# KiCad board main_board.kicad_pcb (continued)
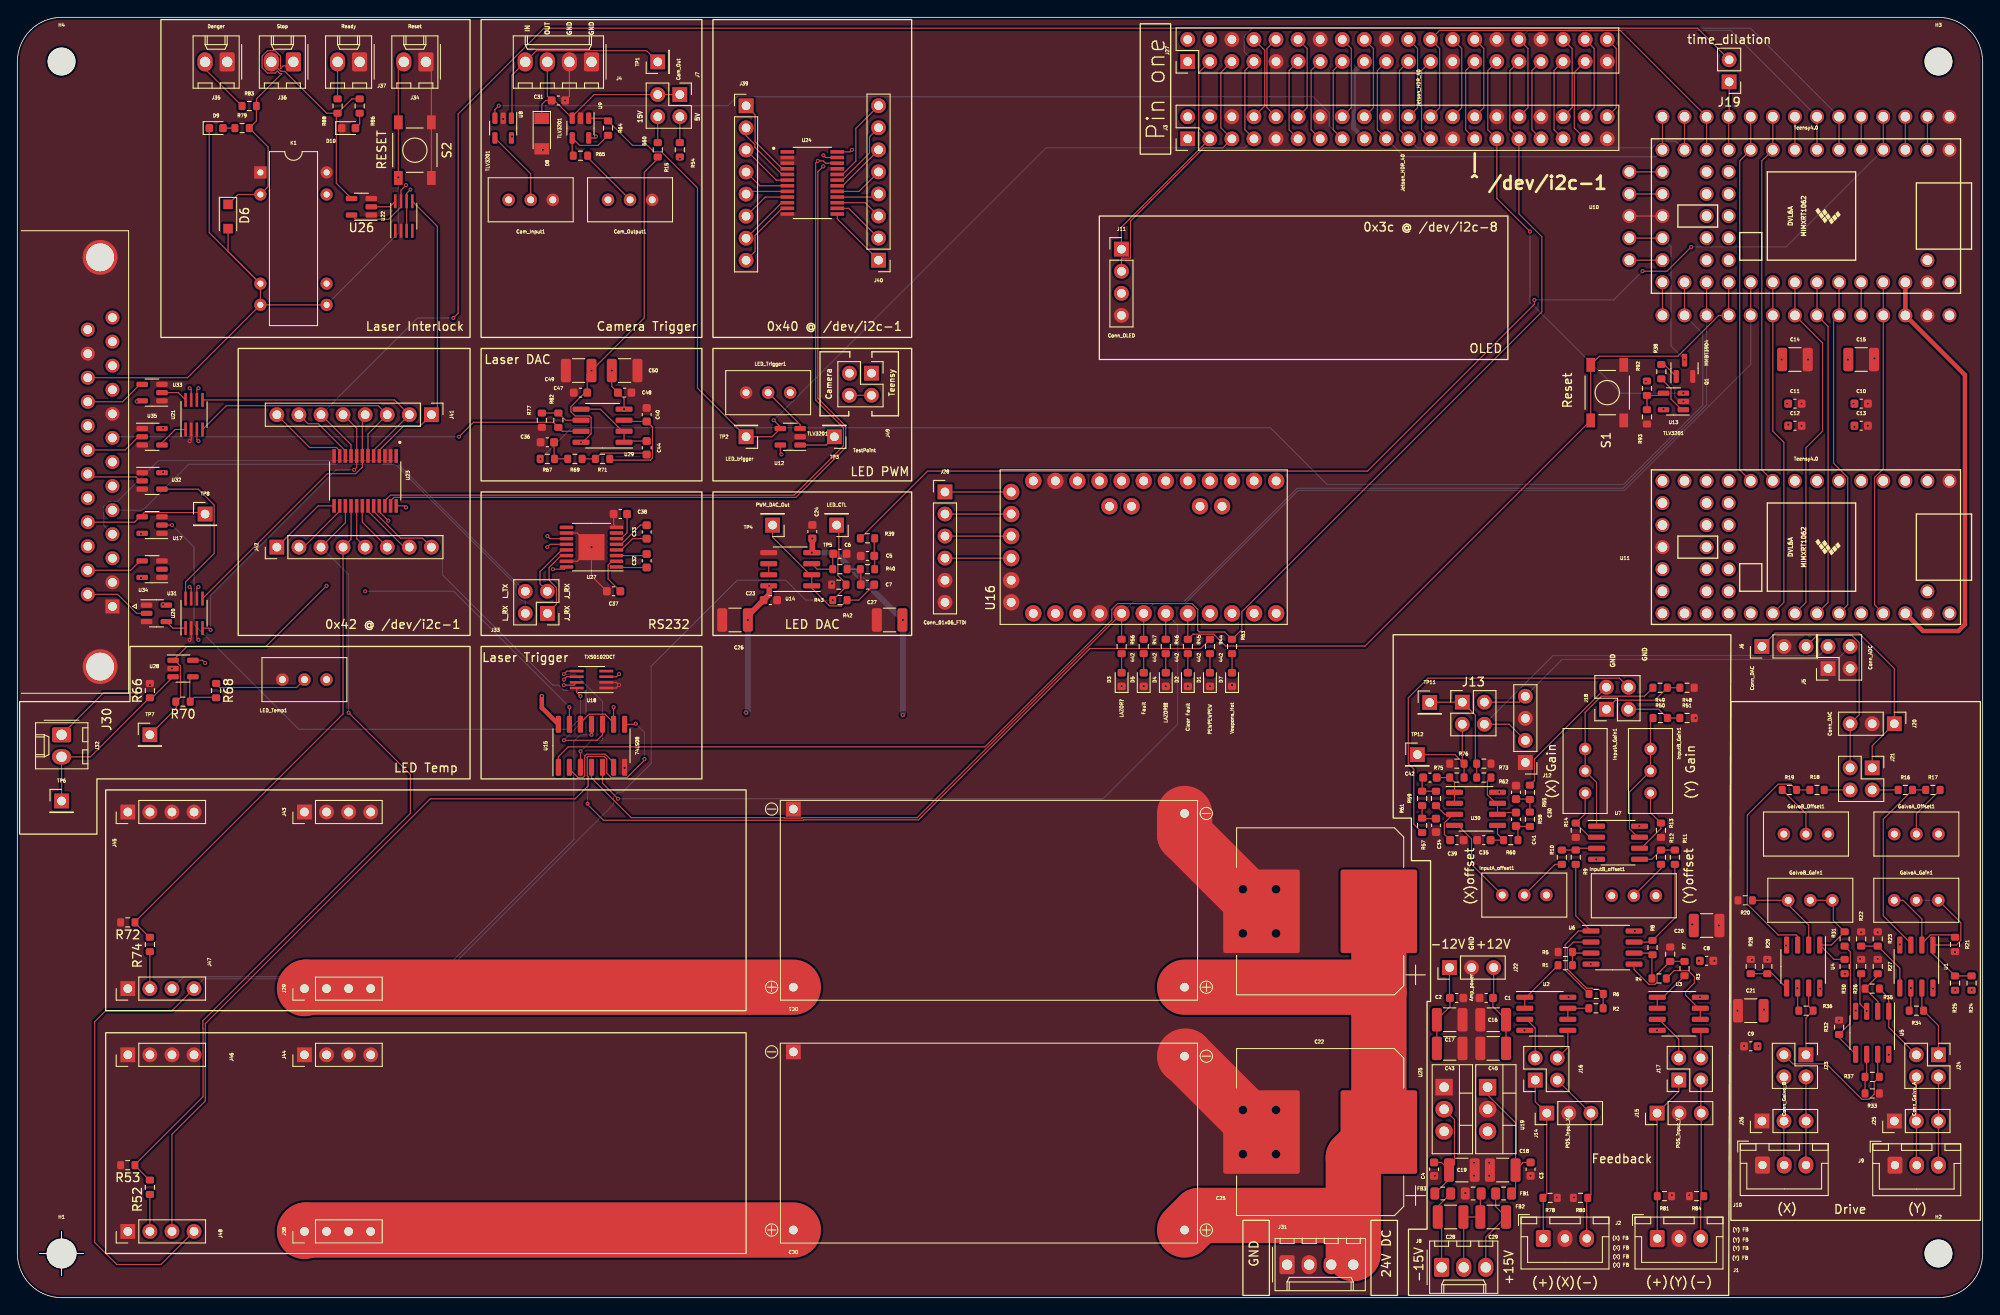
[diagram p0: board, top side]
## Routing (per net, layer and track width the routed paths; a pad name or vN(x,y) marks a point on that pad's centre or on a via; arc(x,y) is an arc through that point) (continued)
SGT_SCL: length 40.7
  Top w0.127: U11.26 205.74,80.01 205.74,97.79 207.64,99.7 207.64,109.86 U10.26 U10.26
SGT_SDA: length 39.2
  Top w0.127: U11.25 203.2,80.01 203.2,98.42 201.93,99.7 U10.25 U10.25
SGT_TX: length 43
  Top w0.127: U11.9 200.66,95.25 200.66,130.81 U10.9 U10.9
Simmer_Control_TTL: length 3.3
  Top w0.127: 19.34,103.3 18.5,104.14 16.38,104.14
System_Alarm_TTL: length 2.5
  Top w0.127: U31.4 17.89,77.04 19.34,77.04
Temp_Alarm_TTL: length 3.7
  Top w0.127: 19.34,99.9 18.17,99.9 16.38,98.11
time_dilation: length 7.8
  Top w0.127: J19.1 196.9,135.94 U10.11 U10.11
Net-(C5-Pad2): length 3.6
  Top w0.127: 98.62,87.38 98.56,87.33 98.56,85.6 98.62,85.55 98.62,83.82
Net-(C6-Pad1): length 4.5
  Top w0.127: U14.3 92.01,83.82 R41.2 93.79,85.55 C6.1
Net-(C7-Pad1): length 18.3
  Top w0.127: C7.1 96.79,80.26 R42.1 94.78,79.6 93.43,79.6 91.38,81.65 U14.1 U14.2 91.19,83.18 86.87,87.5 TP4.1
Net-(C7-Pad2): length 3.3
  Top w0.127: 97.02,82.04 97.02,83.77 R40.2 R41.1
Net-(C18-Pad1): length 15.9
  Top w0.127: C18.1 173.21,15.56 C3.1 ; C18.1 172.33,12.44 FB1.1 ; C18.1 172.33,20.12 169.12,23.34 U19.1
Net-(C19-Pad2): length 13.2
  Top w0.127: C19.2 165.31,15.3 165.31,20.49 U25.2 ; C19.2 164.69,13.62 FB3.1 ; C19.2 163.81,15.56 C4.2
Net-(C28-Pad1): length 10.7
  Top w0.127: 166.37,3.26 166.37,9.25 166.33,9.28 168.29,9.28 168.29,11.89 FB2.1
Net-(C28-Pad2): length 9.5
  Top w0.127: FB3.2 163.38,10.49 163.38,9.28 163.83,8.84 163.83,3.26
Net-(C29-Pad1): length 10.2
  Top w0.127: 168.91,3.26 168.91,6.96 C29.1 170.05,10.47 FB1.2
Net-(C30-Pad2): length 3.1
  Top w0.127: R58.1 R55.2 173.94,57.37 C30.2
Net-(C32-Pad1): length 3.5
  Top w0.127: C32.1 68.99,84.02 U27.1
Net-(C32-Pad2): length 3.5
  Top w0.127: 72.39,85.56 72.21,85.39 U27.3
Net-(C33-Pad1): length 4
  Top w0.127: C33.1 70.75,87.33 69.45,86.03 U27.4
Net-(C33-Pad2): length 4.4
  Top w0.127: C33.2 72.39,88.9 71.67,88.9 69.45,86.69 U27.5
Net-(C34-Pad2): length 3.1
  Top w0.127: C34.2 161.63,55.12 R57.2 R59.1
Net-(C35-Pad1): length 3.5
  Top w0.127: U30.5 170.26,53.34 R60.2 C35.1
Net-(C36-Pad2): length 3.5
  Top w0.127: R69.1 R67.2 61.74,96.57 C36.2
Net-(C37-Pad1): length 4.8
  Top w0.127: U27.2 68.38,84.73 67.95,84.31 67.95,82.69 C37.1
Net-(C38-Pad1): length 3.7
  Top w0.127: 68.91,87.34 69.45,87.34 70.13,88.01 C38.1
Net-(C39-Pad1): length 6.4
  Top w0.127: R61.2 164.19,55.61 U30.3 165.12,55.61 164.14,54.63 164.14,53.31 C39.1
Net-(C40-Pad1): length 12.2
  Top w0.127: U29.3 69.93,100.83 C40.1 73.06,100.16 73.06,96.62 72.81,96.37 68.28,96.37 R71.2
Net-(C41-Pad1): length 7.2
  Top w0.127: C41.1 170.47,55.82 U30.6 U30.7 170.07,56.88 169.09,57.86 169.09,59.43 R62.1
Net-(C41-Pad2): length 3.3
  Top w0.127: R60.1 172.61,54.04 C41.2 172.44,54.22 R58.2
Net-(C42-Pad1): length 4.7
  Top w0.127: C42.1 R75.1 165.31,59.29 U30.1 U30.2
Net-(C42-Pad2): length 3.2
  Top w0.127: C42.2 161.59,59.72 R59.2 R61.1
Net-(C44-Pad1): length 9.9
  Top w0.127: U29.5 67.06,102.23 69.6,99.7 69.78,99.7 U29.1 69.93,98.56 72.39,98.56
Net-(C44-Pad2): length 7.8
  Top w0.127: C44.2 72.22,97.19 67.15,97.19 R71.1 R69.2
Net-(Cam_Input1-Pad2): length 8.8
  Top w0.127: Cam_Input1.2 59.05,129.33 U8.4
Net-(Cam_Output1-Pad2): length 7.1
  Top w0.127: R65.2 65.59,131.2 Cam_Output1.2
Net-(D1-Pad2): length 2.2
  Top w0.127: D1.2 137.18,74.1
Net-(D2-Pad2): length 2.2
  Top w0.127: D2.2 134.64,74.1
Net-(D3-Pad2): length 2.2
  Top w0.127: D3.2 127.02,74.1
Net-(D4-Pad2): length 2.2
  Top w0.127: D4.2 132.1,74.1
Net-(D5-Pad2): length 2.2
  Top w0.127: D5.2 129.56,74.1
Net-(D6-Pad1): length 31.2
  Top w0.127: D6.1 25.36,126.94 K1.2 28.84,127.83 28.84,132.41 R79.2 27.5,135.41 R83.2 27.5,137.94 30.41,140.86 30.2,140.86 29.89,141.16 29.65,140.91 28.77,140.91 28.15,141.54 28.15,142.86 28.77,143.49 29.65,143.49 30.27,142.86 30.27,141.54 30.25,141.52 30.3,141.47 30.58,141.75 30.79,141.75 30.94,141.6 30.94,141.39 J36.1
Net-(D6-Pad2): length 93.3
  Top w0.127: K1.7 K1.8 ; K1.7 19.56,105.85 J30.23 ; K1.7 K1.6 ; J34.2 43.82,141.57 S2.3 v1(43.82,128.91) S2.4 ; K1.6 22.07,122.56 D9.1 ; K1.6 24.23,120.4 D6.2
  Bottom w0.127: K1.8 43.82,122.49 v1(43.82,128.91)
Net-(D7-Pad2): length 2.2
  Top w0.127: D7.2 139.72,74.1
Net-(D9-Pad2): length 1.4
  Top w0.127: R79.1 D9.2
Net-(D10-Pad2): length 1.9
  Top w0.127: R86.1 39.37,135.06 D10.2
Net-(DC1-Pad4): length 56.3
  Top w6.35: J29.1 33.18,35.72 DC1.4
Net-(DC2-Pad4): length 56.3
  Top w6.35: DC2.4 33.18,7.78 J38.1
Net-(GalvoA_Gain1-Pad1): length 11.6
  Top w0.127: R21.1 222.61,41.74 220.05,41.74 219.07,40.76 U1.2 219.07,43.56 216.92,45.72 215.9,45.72
Net-(GalvoA_Gain1-Pad2): length 18.2
  Top w0.127: R24.1 R25.1 220.35,39.56 U1.1 223.02,40.57 223.55,41.1 223.55,43.15 220.98,45.72
  Bottom w0.127: GalvoA_Gain1.2 GalvoA_Gain1.3
Net-(GalvoA_Offset1-Pad2): length 6.2
  Top w0.127: R17.2 218.44,55.69 GalvoA_Offset1.2
Net-(GalvoB_Gain1-Pad1): length 9.9
  Top w0.127: U4.2 206.06,42.87 203.2,45.72 R20.1
Net-(GalvoB_Gain1-Pad2): length 14.7
  Top w0.127: R30.1 208.98,38.93 207.32,40.57 208.66,40.57 R31.1 208.89,43.4 208.89,45.97 208.64,45.72 205.74,45.72
Net-(GalvoB_Offset1-Pad2): length 6.2
  Top w0.127: R19.1 205.74,55.69 GalvoB_Offset1.2
Net-(InputA_Gain1-Pad1): length 7
  Top w0.127: U7.2 180.88,52.98 R14.1 180.34,55.69 InputA_Gain1.1
Net-(InputA_Gain1-Pad2): length 22.6
  Top w0.127: U7.1 181.65,59.29 InputA_Gain1.2 InputA_Gain1.3 180.34,67.34 182.2,69.2 187.16,69.2 R49.2
Net-(InputA_offset1-Pad2): length 5.8
  Top w0.127: R10.2 176.87,49.85 InputA_offset1.2
Net-(InputB_Gain1-Pad1): length 8
  Top w0.127: U7.6 186.79,51.71 189.06,53.98 R13.1 187.86,55.81 InputB_Gain1.1
Net-(InputB_Gain1-Pad2): length 15.4
  Top w0.127: U7.7 186.41,52.98 185.43,53.96 185.43,58.18 InputB_Gain1.2 InputB_Gain1.3 187.86,66.4 R50.1
Net-(InputB_offset1-Pad2): length 4.9
  Top w0.127: R12.1 189.06,49.37 InputB_offset1.2
Net-(J7-Pad2): length 3
  Top w0.127: R54.2 J7.2
Net-(J7-Pad4): length 3
  Top w0.127: R15.2 J7.4
Net-(J10-Pad2): length 10.2
  Top w0.127: 203.2,15.24 J23.4
Net-(J10-Pad3): length 10.2
  Top w0.127: J23.2 205.74,15.24
Net-(J13-Pad1): length 13.1
  Top w0.127: R62.2 R73.1 167.71,61.6 167.71,67.02 J13.1 162.5,68.52 TP11.1
Net-(J13-Pad3): length 12
  Top w0.127: R76.1 166.21,61.65 J13.3 ; R76.1 R75.2 ; R76.1 165.37,62.48 TP12.1
Net-(J16-Pad2): length 5.1
  Top w0.127: J16.2 174.6,31.01 173.58,32.03 U2.3
Net-(J16-Pad4): length 3.7
  Top w0.127: 177.14,27.57 178.35,28.78 178.35,30.75
Net-(J17-Pad2): length 5.6
  Top w0.127: J17.2 191.11,29.74 188.82,32.03 U3.3
Net-(J17-Pad4): length 3.2
  Top w0.127: J17.4 193.65,30.69 193.58,30.75
Net-(J18-Pad1): length 9.5
  Top w0.127: R48.2 R49.1 188.35,68.75 183.83,68.75 J18.1
Net-(J18-Pad2): length 14.9
  Top w0.127: R55.1 174.5,59.49 174.5,61.96 J18.2
Net-(J18-Pad3): length 6.5
  Top w0.127: 185.32,67.71 188.79,67.71 R50.2 191.45,66.7
Net-(J18-Pad4): length 42.9
  Top w0.127: R57.1 160.63,54.48 160.63,60.81 160,61.44 160,69.02 162.27,71.29 184.28,71.29 185.32,70.25
Net-(J19-Pad2): length 201.5
  Top w0.127: U23.9 38.38,98.14 J41.6 ; J19.2 193.27,146.07 60.57,146.07 50.7,136.2 50.7,113.28 v1(50.14,112.73)
  Bottom w0.127: v1(50.14,112.73) 46.05,112.73 J41.6
Net-(J21-Pad2): length 3
  Top w0.127: J21.2 R16.1
Net-(J21-Pad4): length 3
  Top w0.127: J21.4 R18.1
Net-(J23-Pad1): length 8.2
  Top w0.127: J23.1 205.74,32.19 R36.2 206.06,33.53 U4.7
Net-(J23-Pad3): length 17.7
  Top w0.127: U5.7 214,25.59 R37.2 213.59,24.81 213.59,23.43 213,22.83 212.17,22.83 208.1,26.9 204.24,26.9 J23.3
Net-(J24-Pad1): length 8.5
  Top w0.127: J24.1 220.98,31.31 R34.2 219.07,33.21 U1.7
Net-(J24-Pad2): length 10.2
  Top w0.127: J9.3 J25.3 J24.2
Net-(J24-Pad3): length 9.4
  Top w0.127: R35.2 215.26,34.48 215.26,31.12 J24.3
Net-(J24-Pad4): length 10.2
  Top w0.127: 218.44,15.24 J25.2 J24.4
Net-(J28-Pad1): length 7.6
  Top w0.127: U16.JP1_1 J28.1
Net-(J28-Pad2): length 7.6
  Top w0.127: J28.2 U16.JP1_2
Net-(J28-Pad3): length 7.6
  Top w0.127: J28.3 U16.JP1_3
Net-(J30-Pad14): length 7.7
  Top w0.127: U31.2 13.71,78.74 11.53,80.92 J30.14
Net-(J30-Pad15): length 6.5
  Top w0.127: 14.1,84.77 13.03,83.69 J30.15
Net-(J30-Pad19): length 6.3
  Top w0.127: 14.1,93.98 13.64,94.44 8.43,94.44 J30.19
Net-(J30-Pad20): length 6.6
  Top w0.127: 14.1,99.06 13.91,99.06 12.39,97.54 J30.20
Net-(J30-Pad22): length 6.8
  Top w0.127: 14.1,105.09 12.1,103.08 J30.22
Net-(J32-Pad2): length 21.7
  Top w0.127: U28.3 15.55,69.07 15.24,69.07 8.39,62.23 J32.2 TP6.1
Net-(J33-Pad1): length 8.6
  Top w0.127: J33.1 62.01,79.78 62.01,81.71 61.15,82.56 61.15,84 62.54,85.39 U27.14
Net-(J33-Pad3): length 6.7
  Top w0.127: U27.13 62.63,86.03 60.12,83.52 60.12,82.13 J33.3
Net-(J35-Pad2): length 6.8
  Top w0.127: R83.1 21.59,141.38 J35.2
Net-(J36-Pad2): length 23.9
  Top w0.127: R88.2 36.68,136.15 36.68,128.23 U26.4 ; R88.2 35.57,136.3 30.75,141.11 30.3,141.11 J36.2 ; R88.2 38.48,137.94 R86.2
Net-(J37-Pad2): length 4.3
  Top w0.127: R88.1 J37.2
Net-(J39-Pad1): length 9.6
  Top w0.127: U24.4 87.97,129.89 84.86,133.01 84.86,136.1 J39.1
Net-(J39-Pad2): length 7.7
  Top w0.127: U24.5 87.97,129.25 84.84,132.38 84.84,132.67 83.82,133.69 J39.2
Net-(J39-Pad3): length 6.2
  Top w0.127: U24.6 87.29,128.59 J39.3
Net-(J39-Pad4): length 5.4
  Top w0.127: J39.4 85.4,127.95 U24.7
Net-(J39-Pad5): length 4.9
  Top w0.127: J39.5 84.13,127.3 U24.8
Net-(J39-Pad6): length 5.7
  Top w0.127: J39.6 86.02,126.64 U24.9
Net-(J39-Pad7): length 6.4
  Top w0.127: 88.57,126 87.91,126 J39.7
Net-(J39-Pad8): length 8.3
  Top w0.127: J39.8 84.86,120.41 84.86,122.23 87.97,125.34 U24.11
Net-(J40-Pad1): length 7.3
  Top w0.127: 94.31,124.7 94.31,124.13 J40.1
Net-(J40-Pad2): length 6.2
  Top w0.127: U24.14 95.63,125.34 J40.2
Net-(J40-Pad3): length 5.4
  Top w0.127: J40.3 97.53,126 94.31,126
Net-(J40-Pad4): length 4.9
  Top w0.127: J40.4 98.71,126.64 U24.16
Net-(J40-Pad5): length 5.7
  Top w0.127: J40.5 96.81,127.3 U24.17
Net-(J40-Pad6): length 6.5
  Top w0.127: U24.18 94.93,127.95 J40.6
Net-(J40-Pad7): length 8.3
  Top w0.127: U24.19 94.91,128.59 98.02,131.71 98.02,133.58 J40.7
Net-(J40-Pad8): length 10.2
  Top w0.127: U24.20 94.91,129.25 96.45,130.79 96.45,134.55 J40.8
Net-(J41-Pad1): length 34.4
  Top w0.127: U22.5 48.31,123.27 48.31,102.29 J41.1 46.35,100.33 44.45,100.33 41.63,97.51 U23.4
Net-(J41-Pad2): length 30.9
  Top w0.127: U21.5 43.38,103.3 J41.2 40.98,97.5 U23.5
Net-(J41-Pad3): length 28.5
  Top w0.127: U21.4 24.04,102.64 41.5,102.64 J41.3 40.33,99.39 U23.6
Net-(J41-Pad4): length 30.8
  Top w0.127: J41.4 39.68,101.28 U23.7 39.68,95.57 38.92,94.81 35.66,94.81 U20.5
Net-(J41-Pad5): length 34.6
  Top w0.127: U20.4 22.02,77.04 v1(22.23,76.84) ; v1(38.74,95.25) 39.03,95.55 U23.8 39.03,100.03 J41.5
  Bottom w0.127: v1(22.23,76.84) 22.23,80.82 36.65,95.25 v1(38.74,95.25)
Net-(J41-Pad7): length 7.7
  Top w0.127: U23.10 37.73,97.45 34.62,100.56 33.43,100.56 J41.7
Net-(J41-Pad8): length 9.6
  Top w0.127: J41.8 33.62,97.83 36.7,97.83 37.08,97.45 U23.11
Net-(J42-Pad6): length 5.9
  Top w0.127: U23.18 39.68,89.22 J42.6
Net-(J42-Pad7): length 7.1
  Top w0.127: U23.19 40.33,90.51 44.48,86.36 J42.7
Net-(J42-Pad8): length 9
  Top w0.127: U23.20 40.98,90.48 44.06,87.4 46.58,87.4 J42.8
Net-(J47-Pad2): length 4.3
  Top w0.127: J47.2 15.24,39.87
Net-(J47-Pad3): length 68.2
  Top w0.127: U15.11 v1(66.04,64.77)
  Bottom w0.127: v1(66.04,64.77) 64.77,64.77 64.01,64.01 64.01,52.68 48.26,36.93 19.15,36.93 J47.3
Net-(J48-Pad2): length 4.3
  Top w0.127: J48.2 15.24,11.93
Net-(J48-Pad3): length 99.5
  Top w0.127: v1(71.12,66.04) 71.06,65.97 U15.8 ; J48.3 17.78,18.8 21.61,22.63 21.61,31.52 47.5,57.4 64.16,57.4 65.66,58.9 65.66,59.95 65.55,60.06 65.55,62.17 65.66,62.28 67.51,62.28 67.8,61.99 67.8,60.35 68.29,59.86 70.14,59.86 72.14,61.86 v1(72.14,61.98)
  Bottom w0.127: v1(71.12,66.04) 72.14,65.02 v1(72.14,61.98)
Net-(LED_Temp1-Pad2): length 10.7
  Top w0.127: 22.86,70.62 23.28,70.21 32.11,70.21 LED_Temp1.2
Net-(LED_Trigger1-Pad2): length 5.7
  Top w0.127: LED_Trigger1.2 90.04,100.46 U12.3
Net-(Q1-Pad1): length 2.3
  Top w0.127: Q1.1 189.44,107.38 R38.2
Net-(Q1-Pad3): length 18.8
  Top w0.127: U10.18 U10.18
  Bottom w0.127: v1(191.77,107.95) 190.22,109.5 190.22,120.93 U10.18
Net-(R1-Pad1): length 6.6
  Top w0.127: U2.2 U2.1 173.55,34.56 177.23,38.25
Net-(R1-Pad2): length 3.7
  Top w0.127: R1.2 R5.1 179.01,39.65 U6.3
Net-(R2-Pad1): length 3.7
  Top w0.127: 178.35,32.03 178.35,33.29 R2.1
Net-(R2-Pad2): length 12.4
  Top w0.127: U6.2 179,40.91 178.29,40.21 178.29,39.34 178.31,39.32 178.31,38.7 178.29,38.68 178.29,37.81 180.49,35.61 181.15,35.61 181.28,35.48 181.9,35.48 R6.1 182.41,34.92 R2.2
Net-(R3-Pad1): length 5.4
  Top w0.127: U3.2 U3.1 189.29,34.56 R3.1
Net-(R3-Pad2): length 8.7
  Top w0.127: R3.2 R7.1 188.61,37.19 188.61,36.29 188.39,36.06 187.66,36.06 185.96,37.76 185.96,38.38
Net-(R4-Pad1): length 10
  Top w0.127: 193.58,32.03 193.58,33.29 193.4,33.29 191.9,34.8 191.9,35.2 192.91,36.22 192.91,36.93 192.21,37.63 190.58,37.63 R4.1
Net-(R4-Pad2): length 5
  Top w0.127: 185.96,39.65 187.9,39.65 R8.1 188.02,39.39 R4.2
Net-(R6-Pad2): length 18.9
  Top w0.127: R6.2 178.04,37.7 178.04,40.6 178.66,41.23 178.66,41.28 179.56,42.19 U6.1 179.26,43.94 R9.1
Net-(R10-Pad1): length 4.1
  Top w0.127: R10.1 R9.2 179.46,51.71 U7.3
Net-(R11-Pad1): length 12
  Top w0.127: 185.96,40.91 187.9,40.91 R8.2 190.66,43.68 R11.1
Net-(R11-Pad2): length 4.5
  Top w0.127: U7.5 188,50.44 R12.2 R11.2
Net-(R16-Pad2): length 22.1
  Top w0.127: U1.3 217.81,40.76 214.63,43.94 214.63,55.06 R16.2 R17.1
Net-(R18-Pad2): length 27.5
  Top w0.127: 204.79,40.57 204.79,41.57 204.61,41.74 202.53,41.74 198.99,45.28 198.99,55.53 202.54,59.09 203.99,59.09 R19.2 R18.2
Net-(R22-Pad2): length 7.8
  Top w0.127: R22.2 R23.2 216.54,37.91 U1.5
Net-(R24-Pad2): length 10.6
  Top w0.127: R34.1 217.81,33.21 v1(217.81,35.62) ; R24.2 224.79,35.38 v1(224.82,35.41)
  In1.Cu w0.127: v1(217.81,35.62) 218.38,35.62 219.35,36.6 223.62,36.6 v1(224.82,35.41)
Net-(R25-Pad2): length 15.9
  Top w0.127: 212.73,32.96 v1(212.73,32.99) 212.73,33.02 211.94,33.8 211.94,37.13 R26.2
  In1.Cu w0.127: v1(222.91,35.38) 220.52,32.99 v1(212.73,32.99)
Net-(R27-Pad2): length 5.5
  Top w0.127: 214,32.96 214,34.1 R35.1 214,37.02 R27.2
Net-(R28-Pad2): length 4.8
  Top w0.127: U4.5 201.87,37.28 R29.2 R28.2
Net-(R30-Pad2): length 8.9
  Top w0.127: R30.2 210.22,37.28 v1(210.24,37.26) ; R36.1 204.79,33.15 204.79,35.62
  In1.Cu w0.127: v1(210.24,37.26) 206.4,37.26 v1(204.75,35.61)
Net-(R31-Pad2): length 14
  Top w0.127: U5.5 209.55,29.91 R32.2 210.85,31.59 210.85,39.78 R31.2
Net-(R33-Pad2): length 4.6
  Top w0.127: R33.2 R37.1 212.73,25.59 U5.6
Net-(R38-Pad1): length 4.7
  Top w0.127: U13.1 191.44,102.17 190.22,103.4 190.22,104.62 R38.1
Net-(R44-Pad2): length 104.2
  Top w0.127: R44.2 136.12,74.7 123.38,74.7 103.66,54.98 90.46,54.98 90.41,54.93 67.41,54.93 65.58,56.76 v1(65.58,56.85) ; U18.5 63.21,72.09 v1(62.87,71.75) ; U15.3 v1(64.77,62.87)
  Bottom w0.127: v1(65.58,56.85) 65.58,62.05 v1(64.77,62.87) 66.04,64.13 67.31,64.13 67.31,68.58 64.13,71.75 v1(62.87,71.75)
Net-(R64-Pad2): length 7
  Top w0.127: R64.2 66.78,132.59 64.67,132.59 U9.4 63.82,131.53 63.94,131.41
Net-(R68-Pad2): length 6.3
  Top w0.127: 22.86,69.07 20.32,69.07 19.83,68.58 19.83,71.08 U28.4
Net-(R77-Pad2): length 4.9
  Top w0.127: R77.2 R82.1 63.06,100.97 U29.6
Net-(R92-Pad1): length 3.7
  Top w0.127: U13.4 189.11,103.82 187.45,103.82 R93.2
Net-(TP3-Pad1): length 12.4
  Top w0.127: TP3.1 93.03,98.11 U12.1
  In2.Cu w0.127: J49.3 93.98,104.65 TP3.1
Net-(U14-Pad6): length 1.3
  Top w0.127: U14.7 U14.6
Net-(U15-Pad2): length 9.1
  Top w0.127: U15.6 68.58,61.57 67.62,62.53 65.45,62.53 65.26,62.34 65.26,60.06 65.06,59.86 64.48,59.86 63.5,60.84 U15.2
Net-(U17-Pad2): length 67.5
  Top w0.127: v1(64.77,69.22) 64.34,69.65 U18.8 ; 16.38,88.9 v1(17.78,88.9)
  Bottom w0.127: v1(64.77,69.22) 64.77,66.68 63.5,65.41 32.39,65.41 20.32,77.47 20.32,86.36 v1(17.78,88.9)
unconnected-(J27-Pad11): length 9.8
  Top w0.127: J3.11 146.28,134.39 146.28,141.2 J27.11
unconnected-(J27-Pad12): length 9.8
  Top w0.127: J27.12 148.36,143.74 148.36,136.93 J3.12
unconnected-(J27-Pad13): length 9.8
  Top w0.127: J3.13 148.82,134.39 148.82,141.2 J27.13
unconnected-(J27-Pad16): length 9.8
  Top w0.127: J27.16 153.44,143.74 153.44,136.93 J3.16
unconnected-(J27-Pad18): length 9.8
  Top w0.127: J27.18 155.98,143.74 155.98,136.93 J3.18
unconnected-(J27-Pad22): length 9.8
  Top w0.127: J27.22 161.06,143.74 161.06,136.93 J3.22
unconnected-(J27-Pad26): length 9.8
  Top w0.127: J3.26 166.14,136.93 166.14,143.74 J27.26
unconnected-(J27-Pad35): length 9.8
  Top w0.127: J27.35 176.76,141.2 176.76,134.39 J3.35
unconnected-(J27-Pad36): length 9.8
  Top w0.127: J3.36 178.84,136.93 178.84,143.74 J27.36
unconnected-(J27-Pad37): length 9.9
  Top w0.127: J27.37 179.09,140.99 179.09,134.59 J3.37
unconnected-(J27-Pad38): length 9.8
  Top w0.127: J3.38 181.38,136.93 181.38,143.74 J27.38
unconnected-(J27-Pad40): length 9.8
  Top w0.127: J27.40 183.92,143.74 183.92,136.93 J3.40
unconnected-(U10-Pad2): length 3.8
  Top w0.127: U10.2 U10.2
unconnected-(U10-Pad15): length 3.8
  Top w0.127: U10.15 U10.15
unconnected-(U10-Pad16): length 3.8
  Top w0.127: U10.16 U10.16
unconnected-(U10-Pad19): length 3.8
  Top w0.127: U10.19 U10.19

## Copper pours and planes (outline as drawn; the poured copper is in the pictures)
+3V3 on In1.Cu: 228.6,68.83 -2.54,68.83 -2.54,149.86 228.6,149.86
+5V on In2.Cu: 231.14,68.83 -5.08,68.83 -5.08,152.4 231.14,152.4
+15V on In1.Cu: 228.6,-2.54 -2.54,-2.54 -2.54,68.58 228.6,68.58
-15V on In2.Cu: 231.14,-5.08 -5.08,-5.08 -5.08,68.58 231.14,68.58
GND on Top: 236.22,-10.16 -10.16,-10.16 -10.16,157.48 236.22,157.48
GND on Bottom: 233.68,-7.62 -7.62,-7.62 -7.62,154.94 233.68,154.94

## Text on the board
F.Silkscreen: L_TX | L_RX | IN | OUT | J_RX | GND | 15V | 5V | Camera | Teensy | 0x42 @ /dev/i2c-1 | Laser Interlock | LED Temp | Laser DAC | Laser Trigger | Camera Trigger | RS232 | LED DAC | 0x40 @ /dev/i2c-1 | LED PWM | 0x3c @ /dev/i2c-8 | -12V | OLED | +12V | (+) | (X) | (-) | Feedback | (Y) | Drive | RESET | 24V DC | -15V | (X)offset | +15V | (X) Gain | Reset | (Y)offset | (Y) Gain | | | ^ /dev/i2c-1 | Pin one
